# Altium PCB SAU-G0.PcbDoc (continued)
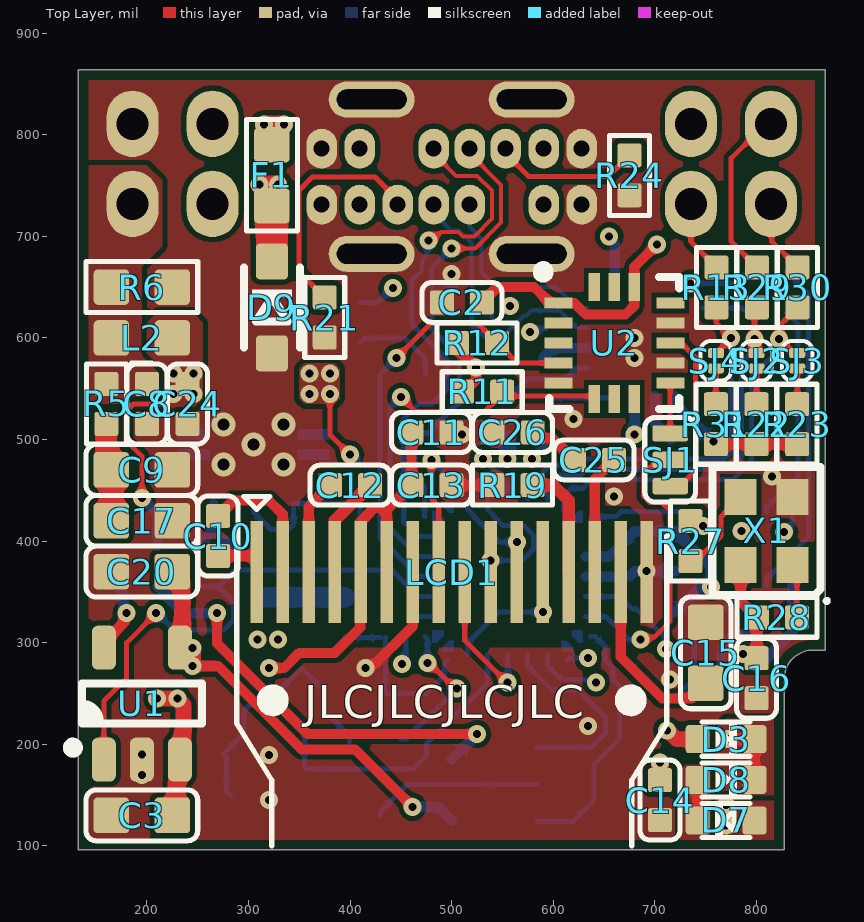
[diagram p0: Top Layer view]
## Footprints (in the part's own frame and the unit in brackets; to place one, negate y for a bottom-side part, rotate by r counter-clockwise, add the part's x,y. Pads: shape width x height; smd on the part's side, far side on the other; paste and mask are expansions set on the pad) (continued)
  rect 0.7x0.28 smd: 1(-1.4,1) 2(-1.4,0.5) 3(-1.4,0) 4(-1.4,-0.5) 5(-1.4,-1) 9(1.4,-1) 10(1.4,-0.5) 11(1.4,0) 12(1.4,0.5) 13(1.4,1)
  rect 0.28x0.7 smd: 6(-0.5,-1.4) 7(0,-1.4) 8(0.5,-1.4) 14(0.5,1.4) 15(0,1.4) 16(-0.5,1.4)
  silkscreen extent -2.03,-1.65 1.62,2.03, body extent -1.5,-1.5 1.5,1.5, height 1.02
"MICROCHIP SOT-23-5 OT" [mm] "SOT23, 5-Leads, Body 2.90x2.70mm, Pitch 0.95mm, IPC Medium Density"
  rrect50% 1.1x0.6 smd: 1(-1.4,0.95) 2(-1.4,0) 3(-1.4,-0.95) 4(1.4,-0.95) 5(1.4,0.95)
  silkscreen extent -1.22,-1.5 0.5,1.85, body extent -1.36,-1.45 1.36,1.45, height 1.19
"NDK NX2520SA" [mm] "Crystal, 4-Leads, Body 2.00x2.50mm, Pitch 1.70mm, IPC Medium Density"
  rect 0.9x0.8 smd: 1(-0.85,-0.65) 2(0.85,-0.65) 3(0.85,0.65) 4(-0.85,0.65)
  silkscreen extent -1.8,-1.55 1.6,1.35, body extent -1.26,-1.01 1.26,1.01, height 0.5
ODG_LOGO [mil]
  silkscreen extent -26,-46 39,84
OLED_64X48_0.66_SSD1306_TOP_FPC_TO_BACK_1MM_NO_3D_NO_SLIK_1 [mm]
  rect 0.32x2.54 smd: 1(-4.875,-12.453) 2(-4.225,-12.453) 3(-3.575,-12.453) 4(-2.925,-12.453) 5(-2.275,-12.453) 6(-1.625,-12.453) 7(-0.975,-12.453) 8(-0.325,-12.453) 9(0.325,-12.453) 10(0.975,-12.453) 11(1.625,-12.453) 12(2.275,-12.453) 13(2.925,-12.453) 14(3.575,-12.453) 15(4.225,-12.453) 16(4.875,-12.453)
  silkscreen extent -5.38,-19.3 5.38,-10.56, body extent -9.23,-19.3 9.23,0, height 2.31
"ON SEMI SOT-363" [mm] "SOT363, 6-Leads, Body 2.00x2.10mm, Pitch 0.65mm, IPC Medium Density"
  rrect50% 0.66x0.3 smd: 1(-0.92,0.65) 2(-0.92,0) 3(-0.92,-0.65) 4(0.92,-0.65) 5(0.92,0) 6(0.92,0.65)
  silkscreen extent -1.07,-1.1 0.3,1.53, body extent -1.06,-1.1 1.06,1.1, height 1.05
R0402 [mm]
  rrect20% 0.6x0.6 smd: 1(-0.5,0) 2(0.5,0)
  silkscreen extent -1,-0.5 1,0.5, body extent -0.5,-0.25 0.5,0.25, height 0.35
R0603 [mil]
  rrect25% 35x35 smd: 1(-30,0) 2(30,0)
  silkscreen extent -55,-25 55,25, body extent -31,-16 31,16, height 18
SJ_2P_TINY [mil] "选择焊盘"
  rrect50% 10x16 smd: 1(0,0) 2(15,0)
  silkscreen extent -12,-15 27,15
SJ_3P_MINI [mil]
  rrect30% 16x35 smd: 1(-26,0) 2(0,0) 3(26,0)
  silkscreen extent -42,-25 42,25
SOD-323 [mm]
  rrect25% 0.9x0.8 smd: 1(-1.15,0) 2(1.15,0)
  silkscreen extent -1,-0.7 1,0.7, body extent -1.36,-0.62 1.36,0.63, height 1.05
SOD-523 [mm]
  rrect25% 0.6x0.7 smd: 1(-0.71,0) 2(0.71,0)
  silkscreen extent -0.6,-0.43 0.6,0.43, body extent -0.8,-0.4 0.8,0.4, height 0.82
"TAIYO YUDEN MAMK2520T1R0M" [mm] "Inductor, 2-Leads, Body 2.50x2.00mm, IPC Medium Density"
  rrect50% 0.8x2 smd: 1(-1,0) 2(1,0)
  silkscreen extent -1.7,-1.3 1.7,1.3, body extent -1.3,-1.02 1.3,1.03, height 1.2
TE-198181x_Female+Male [mm]
  rrect50% 0.7x1.5 smd: 1(-2.15,0) 2(2.15,0)
  silkscreen extent -2.41,-1.78 2.2,1.53, body extent -2.33,-1.62 2.33,1.53, height 1.4
"TI PVSON-10 3x3MM DRC" [mm] "PVSON, 10-Leads, Body 3.00x3.00mm, Pitch 0.50mm, Thermal Pad 1.65x2.40mm, IPC Medium Density"
  oval 0.8x0.23 smd: 1(-1.475,1) 2(-1.475,0.5) 3(-1.475,0) 4(-1.475,-0.5) 5(-1.475,-1) 6(1.475,-1) 7(1.475,-0.5) 8(1.475,0) 9(1.475,0.5) 10(1.475,1)
  rect 1.65x2.4 smd paste-5: 11(0,0)
  Top Layer region: 0.11,1.9 0.39,1.9 0.39,1.1 0.11,1.1
  Top Layer region: -0.11,1.1 -0.39,1.1 -0.39,1.9 -0.11,1.9
  Top Layer region: -0.11,-1.9 -0.39,-1.9 -0.39,-1.1 -0.11,-1.1
  Top Layer region: 0.11,-1.1 0.39,-1.1 0.39,-1.9 0.11,-1.9
  silkscreen extent -2.47,-1.7 1.7,1.7, body extent -1.5,-1.5 1.5,1.5, height 1
TYPE-C_14P_Vertical_H_10mm [mm] "JLC插件孔焊盘：建议焊环0.25mm（极限0.18mm）。过小的焊环易破孔"
  oval 1.998x0.748 / inner round 0 / far side oval 2.15x0.9 hole 0.5 slot 1.75 at 0 deg: 1(2,-1.93) 2(-2,-1.93) 3(-2,1.93) 4(2,1.93)
  oval 0.76x1 / inner round 0.4 / far side oval 0.76x1 hole 0.4: A1(-3.25,0.7) A4(-2.3,0.7) A5(-1.35,0.7) A6(-0.45,0.7) A7(0.45,0.7) A9(2.3,0.7) A12(3.25,0.7) B1(3.25,-0.7) B4(2.3,-0.7) B5(1.35,-0.7) B6(0.45,-0.7) B7(-0.45,-0.7) B9(-2.3,-0.7) B12(-3.25,-0.7)
  silkscreen extent -4.48,-1.58 4.47,1.58, body extent -4.47,-2.08 4.48,2.08, height 10
UFQFPN28-4x4mm_ODG [mil]
  rrect50% 22x12 smd: 1(-81.5,59.06) 7(-81.5,-59.06) 15(81.5,-59.06) 21(81.5,59.06)
  rrect50% 32x12 smd: 2(-76.5,39.37) 3(-76.5,19.69) 4(-76.5,0) 5(-76.5,-19.68) 6(-76.5,-39.37) 16(76.5,-39.37) 17(76.5,-19.69) 18(76.5,0) 19(76.5,19.68) 20(76.5,39.37)
  rrect50% 12x22 smd: 8(-59.06,-81.5) 14(59.06,-81.5) 22(59.06,81.5) 28(-59.06,81.5)
  rrect50% 12x32 smd: 9(-39.37,-76.5) 10(-19.68,-76.5) 11(0,-76.5) 12(19.68,-76.5) 13(39.37,-76.5) 23(39.37,76.5) 24(19.68,76.5) 25(0,76.5) 26(-19.68,76.5) 27(-39.37,76.5)
  Top Layer region: 58,63 65,70 65,74 53,74 53,63
  Top Layer region: 63,-58 70,-65 74,-65 74,-53 63,-53
  Top Layer region: -63,58 -70,65 -74,65 -74,53 -63,53
  Top Layer region: 63,58 70,65 74,65 74,53 63,53
  Top Layer region: 58,-63 65,-70 65,-74 53,-74 53,-63
  Top Layer region: -63,-58 -70,-65 -74,-65 -74,-53 -63,-53
  Top Layer region: -58,63 -65,70 -65,74 -53,74 -53,63
  Top Layer region: -58,-63 -65,-70 -65,-74 -53,-74 -53,-63
  silkscreen extent -122,-86 86,86, body extent -81,-81 81,81, height 24

## Part data
C1 C2 C3 C4 C5 C6 C7 C8 C9 C10 C11 C12 C13 C14 C15 C16 C17 C18 C19 C20 C21 C22 C23 C24 C25 C26: library part CAP, "Capacitor"
D1: "Ultra-Low Capacitance TVS Protection", BOM名称=Ç¯Î, 学习资源=www.ooocke., 属性=30V/0.2
D2 D3 D4 D5 D7 D8: library part DIODE, "二极管"
D9: library part DIODE, "单向 5V TVS"
F1: library part FUSE, "贴片自恢复保险丝"
FPC1: "豆老板1.6元车G031电子烟拆机的玩意儿"
L1: library part Inductor
L2: library part inductor_mini, "贴片叠层电感"
P1 P3: library part CONN_2X2
P5: "泰科1981812-1 / 泰科1981813-1 / 使用32AWG 特氟龙线外径0.38mm / 刺破式"
Q1: library part P-MOS_123, "P-MOS"
Q2: library part N-MOS_123, "N-MOS"
Q3: "PNP+NPN, SOT-363", ComponentLink1Description=Datasheet, ComponentLink1URL=https://fscdn.rohm.com/en/products/databook/datasheet/discrete/transistor/digital/umh3ntn-e.pdf
R1 R2 R3 R4 R5 R6 R7 R8 R9 R10 R11 R12 R13 R14 R15 R16 R17 R18 R19 R20 R21 R22 R23 R24 R25 R26 R27 R28 R29 R30 R31 R32: library part RES, "Resistor"
SJ1: "焊接跳线二选一"
SJ2 SJ3 SJ4 SJ5 SJ6: "焊接跳线"
U2: "The LIS3DH is an ultra-low-power highperformance three-axis linear accelerometer belonging to the “nano” family, with digital I2C/SPI serial interface standard output. The device features ultra-low-power operational modes that allow advanced power saving and smart embedded functions.", ComponentLink1Description=Datasheet, ComponentLink1URL=https://www.bosch-sensortec.com/media/boschsensortec/downloads/datasheets/bst-bmi160-ds000.pdf
U3: library part TPS63000, "Buck-Boost Converter / 具有 1.8A 电流开关并采用 3x3 QFN 封装的高效率降压/升压转换器"
U4: "usb to ttl"
U5: "No Description Available", Mfr_Name=STMicroelectronics, Copyright="Copyright (C) 2022 Ultra Librarian. All rights reserved.", Manufacturer_Part_Number=STM32G031G8U6, RefDes=RefDes, Type=DEV
USB1: library part USB-Type-C_14P
VD2: "贴片肖特基二极管", BOM名称=Ð¤ÌØ», 学习资源=www.ooocke., 属性=30V/0.2
X1: library part XTAL-4P_oscillator, "4脚有源晶振", BOM名称=4脚无, 学习资源=www.ooocke.

## Free pads (board coordinates)
  oct 90x47.24 smd far side: 2(195,244.65) 3(195,175.35)

## Via types
v1: diameter 17.72/17.72/7.87/17.72 (per signal layer), hole 7.87, Top Layer to Bottom Layer, tented both sides, 30 vias
v2: diameter 17.72/7.87/7.87/17.72 (per signal layer), hole 7.87, Top Layer to Bottom Layer, tented both sides, 27 vias
v3: diameter 17.72/7.87/17.72/17.72 (per signal layer), hole 7.87, Top Layer to Bottom Layer, tented both sides, 22 vias
v4: diameter 23.62, hole 11.81, Top Layer to Bottom Layer, tented both sides, 5 vias
v5: diameter 17.72, hole 7.87, Top Layer to Bottom Layer, tented both sides, 3 vias

## Nets (pads, with @x,y where several pads share a name; then routed paths per layer and width w, separated by ;. In a path a pad name is that pad's centre, name@x,y a point inside that pad or via, vN(x,y) a via of type N, cw(c..) or ccw(c..) an arc to the next point about the centre after c; other vN are vias at no path point)
3V3: C8.1 C11.1 C13.2 C16.1 C19.2 D3.1 L2.2 LCD1.5 LCD1.6 P3.1 Q3.4 R5.2 R6.2 R11.1 R12.1 R14.1 R22.1 R23.1 R28.2 R31.1 U4.1 X1.4 | length 838.7
  Top Layer w10: v1(320,275) 335,275 350,290 385,290 410,315 410,418.93 424.26,433.19 ; 425,433.19 436.02,433.19 ; LCD1.6 436.02,433.19 ; C11.1@460.31,505 C13.2 438.5,433.19 436.02,433.19 ; R12.1 508.74,591.58 508.74,586.26 v1(524,571) 525,570 524,569 524,558.68 R11.1@510.31,545 ; R31.1 R22.1 R23.1 ; X1.4 784.41,340.91 R28.2 800.16,324.84 800.16,285.16 800,285 C16.1
  Top Layer w15: v1(712,213.64) 712.74,213.64 721.37,205 D3.1
  Bottom Layer w10: U4.1 719.53,535.16 C19.2 ; v1@784.9,289.39 785.92,289.39 R14.1 835.59,310.91 Q3.4
  other v1: 786.49,289 757.5,498
4V2: C1.1 Q1.3 R2.2 R3.2 U3.5 | length 162.8
  Top Layer w5: v1(380,545) 380,505 v2(400,485)
  Bottom Layer w5: v2(400,485) 400,484.69 R3.2
  Bottom Layer w20: Q1.3 315.16,344.69 R2.2
  other v1: 309,303 329,303 360,545 360,565 380,565
+5: C20.1 C21.2 D9.2 F1.2 LED1.1 U1.4 U4.3 U4.9 | length 1180.4
  Top Layer w10: v3(245,277) 270.12,277 352.12,195 404.84,195 v2(461.42,138.43)
  Top Layer w16: C20.1 235,360 235,297.72 U1.4 ; v3(245,277) v3@245,294.67
  Top Layer w17.72: v3(311,751) v3(329,751)
  Top Layer w30: D9.2 F1.2
  G1 w10: v5(655,700) 655,661.57 705.86,610.71 705.86,530.86 v1(680,505)
  G2 w10: v3(329,751) 331,751 340,760 641,760 655,746 v5(655,700)
  Bottom Layer w10: v2(461.42,138.43) 486.58,138.43 LED1.1 ; v5(655,700) 655,698.38 660.47,692.9 U4.9 ; v1(680,505) 679.68,505 680.08,505.39 680.08,542.83 U4.3
  other v3: 245,295
BAT_INFO: C5.1 R2.1 R8.2 U5.14 | length 172.4
  Bottom Layer w5: R2.1 395.31,305 C5.1@430,305 ; R8.2 434.8,250.11 434.8,304.8 C5.1@435,305 ; R8.2@435,250 475,250 492.75,267.75 492.75,280.31 U5.14
CC1: R21.1 USB1.A5 | length 232.7
  Top Layer w5: R21.1 349.59,665.1 349.59,745.13 362.74,758.29 424.39,758.29 446.85,735.83 USB1.A5
CC2: R24.2 USB1.B5 | length 144.4
  Top Layer w5: USB1.B5 553.15,781.5 575.61,759.04 654.35,759.04 R24.2
CH343_RX: R26.1 U4.5 | length 90.7
  Bottom Layer w5: R26.1 574.69,559.37 611.97,559.37 623.07,570.47 U4.5
CH343_TX: R25.1 U4.4 | length 66.8
  Bottom Layer w5: R25.1 596.42,541.1 658.66,541.1 U4.4
Charge_Detect: R4.1 U1.1 U5.17 | length 538.8
  Top Layer w5: U1.1 157.6,242.6 180,265 180,300 v2(209,329)
  Bottom Layer w5: v2(209,329) 209,329.48 210.05,329.48 222.52,317 229,317 233.36,312.64 275.78,312.64 285.36,322.22 285.36,339.64 270,355 ; R4.1 270,355 ; U5.17 467.21,345.31 441.05,371.48 286.48,371.48 270,355
D+_A6: D1.4 D1.7 SJ5.1 U4.7 USB1.A6 | length 275
  Bottom Layer w4: USB1.A6 482.28,722.72 499.14,705.86 507.14,705.86 519.68,693.32 D1.4 D1.7 519.68,613.35 533.03,600 549.15,600 570.68,621.53 572.96,621.53 578.43,627 SJ5.1 605.91,627 623.07,609.84 U4.7
D-_A7: D1.5 D1.6 SJ6.1 U4.8 USB1.A7 | length 220.2
  Bottom Layer w4: USB1.A7 517.72,709.01 529.42,697.31 529.42,664.11 539.37,654.15 D1.5 ; D1.6 D1.5@539.37,648.06 ; D1.5@541.31,648 541.31,650 SJ6.1 602.6,650 623.07,629.53 U4.8
DISP_CS: LCD1.8 U5.22 | length 153.5
  Top Layer w5: v2(480,480) 480,441.84 487.2,434.64 LCD1.8
  Bottom Layer w5: v2(480,480) 495.94,464.06 U5.22
DISP_DC: LCD1.10 U5.24 | length 140.2
  Top Layer w5: v2(538,381) 538,373.95 540,371.95 538,369.95 LCD1.10
  Bottom Layer w5: U5.24 535.32,431.23 541.5,425.04 541.5,424.15 550.29,415.36 570.78,415.36 580.36,405.78 580.36,392.22 569.13,381 v2(538,381)
DISP_RES: LCD1.9 U5.11 | length 154.1
  Top Layer w5: LCD1.9 512.8,302.2 554,261 v2(555,261)
  Bottom Layer w5: v2(555,261) U5.11
DTR: Q3.1 R15.2 U4.12 | length 345
  G1 w5: v1(734.8,653.58) 734.8,556.12 780.86,510.06 780.86,440.98 785,436.84 v1(785,410)
  Bottom Layer w5: U4.12 719.53,654.53 721.76,652.29 723.05,653.58 v1(734.8,653.58) 776.32,653.58 777.61,652.29 R15.2
FB: R17.1 R18.1 U3.10 | length 81.1
  Bottom Layer w9: R17.1 265.63,410.94 ; U3.10 265.63,410.94 ; R18.1 285,392 266.06,410.94 265.63,410.94
GND: C1.2 C2.2 C3.2 C4.2 C5.2 C6.2 C7.2 C8.2 C9.2 C11.2 C13.1 C14.2 C15.2 C16.2 C17.2 C18.2 C19.1 C20.2 C21.1 C22.2 C23.2 C24.2 C26.2 D1.3 D1.8 D9.1 FPC1.1 LCD1.7 LCD1.16 P3.3 P5.2 pad.3 Q2.2 R1.1 R6.1 R8.1 R9.1 R18.2 R19.1 R21.2 R24.1 R32.1 U1.2 U2.5 U2.10 U2.12 U3.3 U3.7 U3.9 U3.11 U4.2 U4.17 U5.4 USB1.1 USB1.2 USB1.3 USB1.4 USB1.A1 USB1.A12 USB1.B1 USB1.B12 X1.2 | length 308.4
  Top Layer w10: v3(415,275) 420.33,275 461.61,316.28 LCD1.7 ; C13.1 R19.1
  Bottom Layer w10: U5.4 674.68,365 C22.2 v3(691.93,370.31) C23.2 ; U4.2 699.92,542.83 699.92,515.39 C19.1
  Bottom Layer w12: D1.3 v3@500,661
  other v3: 320,145 195,170 320,189.37 195,190 634,218 715,264 659.8,444.1 815,463.5 510,505 620,520 680,580 680,600 500,663
  other v4: 275.47,475.31 334.53,475.31 305,495 275.47,514.68 334.53,514.68
GPIO_ndef: P3.2 U5.25 | length 500.5
  G1 w5: P3.2 314.11,731.89 421,625 503.03,625 547.36,580.68 547.36,512.36 530.64,495.64 v1@530.64,481
  Bottom Layer w5: v1@531,480 555,456 U5.25
  other v1: 531,481
I2C1_SCL/SPI2_SCK: R30.2 SJ3.1 U5.28 | length 389.1
  Top Layer w5: SJ3.1 837,585 823,599 v2(822,599) 824.43,601.43 824.43,613.96 R30.2
  Bottom Layer w5: U5.28 614.06,448.54 617.52,452 629,452 637.69,460.69 776.5,460.69 795,479.19 795,561.19 822,588.19 v2(822,599)
I2C1_SDA/SPI2_MOSI: R29.2 SJ2.1 U5.27 | length 381
  Top Layer w5: v2(798,599) 798,627.53 R29.2 ; SJ2.1@799,586 SJ2.1
  Top Layer w14: SJ2.1@798,587 v2(798,599)
  Bottom Layer w5: U5.27 594.37,452.66 606.71,465 627,465 632.69,470.69 772.36,470.69 785,483.33 785,575 798,588 v2(798,599)
I2C2_SCL: R12.2 U2.4 U5.18 | length 438.5
  Top Layer w5: v2(445.5,580.24) 479.57,614.31 525.37,614.31 R12.2 564.38,575.31 U2.4
  Bottom Layer w5: v2(445.5,580.24) 429.31,564.05 429.31,403.02 467.34,365 U5.18
I2C2_SDA: R11.2 U2.6 U5.19 | length 387
  Top Layer w5: v2(450,542) 464.69,527.31 532,527.31 R11.2@549.68,545 ; R11.2@552.07,542.62 637.58,542.62 U2.6
  Bottom Layer w5: v2(450,542) 439.31,531.31 439.31,412.71 467.34,384.69 U5.19
INT: SJ1.2 U5.6 | length 294.8
  Top Layer w5: v2(686,303) 688.43,305.43 699.3,305.43 715,321.13 715,430 707,438 695,438 689,444 689,466 703,480 SJ1.2
  Bottom Layer w5: U5.6 651.77,325.63 674.4,303 v2(686,303)
INT1: SJ1.3 U2.11 | length 173.6
  Top Layer w5: SJ1.3 724.5,454 740,469.5 740,581 726,595 U2.11
INT2: SJ1.1 U2.9 | length 49.7
  Top Layer w5: SJ1.1 715,555.51 U2.9
KEY1: FPC1.2 U5.10 | length 197.8
  Bottom Layer w5: U5.10 574.68,277.34 598.36,253.66 624.57,253.66 651.36,226.87 651.36,211.36 637.05,197.05 FPC1.2
KEY2: FPC1.3 VD2.3 | length 168.8
  Bottom Layer w5: VD2.3@430,130 430,134.16 456.27,160.43 FPC1.3
KEY3: FPC1.4 U5.7 | length 250.9
  Bottom Layer w5: FPC1.4 618.82,123.82 640,145 640,180 665,205 665,257.58 658.72,263.86 658.72,275 650.58,283.14 650.58,296.6 641.23,305.94 U5.7
MISO2: P1.4 R13.1 | length 72.9
  Top Layer w5: P1.4 735.43,694.57 760,670 760,669.84 R13.1
NetC4_1: C4.1 R3.1 U3.6 U3.8 | length 183.8
  Bottom Layer w5: U3.8 305,428.38 322.07,411.31 339.31,411.31 344.37,416.37 U3.6 407.76,436.93 409.69,435 C4.1
NetC9_1: C9.1 C17.1 R5.1 | length 97.4
  Top Layer w20: R5.1 160,475 C9.1 C17.1
NetC10_1: C10.1 LCD1.1 | length 53.1
  Top Layer w10: C10.1 306.77,385.31 308.07,384.02 LCD1.1
NetC10_2: C10.2 LCD1.2 | length 132.4
  Top Layer w10: C10.2 285.31,440 320,440 333.66,426.34 LCD1.2
NetC12_1: C12.1 LCD1.3 | length 94.2
  Top Layer w10: LCD1.3 359.25,433.94 C12.1
NetC12_2: C12.2 LCD1.4 | length 99.9
  Top Layer w12: LCD1.4 384.84,420.16 C12.2
NetC15_1: C15.1 LCD1.15 | length 190.3
  Top Layer w10: LCD1.15 666.34,285.99 707.19,245.14 735.14,245.14 C15.1
NetC18_1: C18.1 U4.6 | length 47.4
  Bottom Layer w10: C18.1 599.84,590.16 U4.6
NetC25_1: C25.1 LCD1.14 | length 118.3
  Top Layer w10: LCD1.14 640.75,461.06 C25.1
NetC25_2: C25.2 C26.1 | length 52.2
  Top Layer w10: C26.1@579.68,508 586.5,501.19 599.13,501.19 C25.2
NetD2_1: D2.1 R16.1 | length 89.5
  Bottom Layer w5: R16.1 414.69,600 453.7,600 474,579.7 D2.1@474,564.53
NetD4_2: D4.2 D5.2 Q3.6 | length 192.5
  Bottom Layer w5: D4.2 680,274 707,247 721.13,247 738.72,264.59 738.72,308.4 758.28,327.95 D5.2 761.97,327.95 784.41,350.39 Q3.6
NetD5_1: D5.1 R14.2 | length 68.8
  Bottom Layer w8: D5.1 764.86,276.91 764.86,295.86 777,308 793.32,308 R14.2
NetD7_2: D7.2 D8.1 | length 40
  Top Layer w10: D7.2 D8.1
NetL1_1: L1.1 U3.4
NetL1_2: L1.2 U3.2
NetLCD1_13: LCD1.13 R19.2 | length 112
  Top Layer w12: R19.2 600,455 615.16,439.84 LCD1.13
NetLED1_2: LED1.2 R4.2 | length 427.5
  Top Layer w10: v2(269,329) 269,299.33 358.33,210 v2(525,210)
  Bottom Layer w10: R4.2 236.31,329 v2(269,329) ; LED1.2 v2(525,210)
NetQ1_1: Q1.1 Q2.3 R7.1 VD2.1 | length 261.2
  Bottom Layer w5: Q2.3 278.11,154.49 278.11,187.2 R7.1 295.63,210.94 295.63,233.16 316.47,254 331.24,254 Q1.1 375,252.56 375,232.53 399.41,208.12 VD2.1
NetQ3_2: Q3.2 R20.2 | length 214.3
  Bottom Layer w5: Q3.2 810,433.31 841,464.31 841,613.68 R20.2
NetQ3_3: Q3.3 R16.2 | length 774.7
  G1 w5: v1(442,649) 471,649 485,635 527.99,635 554.13,661.14 606.33,661.14 625.83,680.63 625.83,703.86 645.32,723.36 664.68,723.36 678.36,709.68 678.36,682.61 692.32,668.64 711.68,668.64 719.97,676.93 744.48,676.93 758.16,663.25 758.16,643.9 745,630.74 745,560.06 790.86,514.2 790.86,445.12 v1(827.26,408.72)
  Bottom Layer w5: R16.2 426.69,634.68 441,649 v1(442,649) ; v1(827.26,408.72) 827.26,409.93 835.59,418.26 Q3.3
NetQ3_5: Q3.5 R15.1 | length 335
  Bottom Layer w5: Q3.5 810,362.87 851,403.87 851,643.68 R15.1
NetR1_2: R1.2 U1.5 | length 73.6
  Top Layer w10: U1.5 157.6,299.96 178.52,320.89 178.52,327.52 v2(180,329)
  Bottom Layer w10: R1.2 176.81,348.5 176.81,334.81 180,331.62 v2(180,329)
NetR22_2: R22.2 SJ2.2 | length 35.3
  Top Layer w5: R22.2 SJ2.2
NetR23_2: R23.2 SJ3.2 | length 35.3
  Top Layer w5: R23.2 SJ3.2
NetR27_2: R27.2 X1.3 | length 86.7
  Top Layer w5: R27.2 740.32,380.31 765,405 765,424.06 X1.3
NetR28_1: R28.1 X1.1 | length 53.2
  Top Layer w5: X1.1 839.68,372.44 R28.1
NetR31_2: R31.2 SJ4.2 | length 35.3
  Top Layer w5: R31.2 SJ4.2
PA2/TX: R26.2 SJ6.2 U5.8 | length 460.5
  G1 w5: v1@554.36,481 554.64,481.28 554.64,494.64 563,503 563,586.88 553.89,595.99 553.89,627.86 v1(557.17,631.14) ; v1(555,481) 555.64,480.36 555.64,467.36 565.36,457.64 586.88,457.64 647,397.53 647,298 v1(634,285)
  Bottom Layer w4: v1(557.17,631.14) 561.14,631.14 SJ6.2
  Bottom Layer w5: U5.8 615.78,285.22 616,285 v1(634,285)
  Bottom Layer w17.72: v1(555,481) R26.2
PA3/RX: R25.2 SJ5.2 U5.9 | length 490.2
  G1 w5: v1(577.24,605.67) 578.12,604.79 v1@578.12,486.87 ; v1@578.5,480.5 657.36,401.64 657.36,275.32 643.03,261 v1(642,261)
  Bottom Layer w5: v1(577.24,605.67) 580.69,605.67 584.52,609.5 592.5,609.5 SJ5.2 ; U5.9 594.37,277.34 608.04,263.66 628.71,263.66 628.94,263.43 639.57,263.43 v1(642,261)
  Bottom Layer w8: v1(579,481) 595,497 R25.2
PC14: R27.1 U5.1 | length 133.1
  Top Layer w5: R27.1 739.68,415 v2(747.34,415)
  Bottom Layer w5: U5.1 661.53,424.06 666.47,429 733.53,429 747.34,415.19 v2(747.34,415)
PC15: U5.2
PF2/N\R\S\T\: C14.1 D4.1 R10.1 U5.5 | length 282.8
  Top Layer w17.72: C14.1 v3(705,182)
  G2 w5: v3(705,182) 708.44,182 738.36,211.92 738.36,280.64 724,295 712,295 v3(711,294)
  Bottom Layer w5: U5.5 665.42,345.31 677.79,332.95 D4.1 681.97,332.95 709.69,305.23 709.69,299.63 R10.1@714.32,295 ; v3(711,294) 713.32,294 R10.1@714.32,295 ; R10.1 R10.1@714.32,295
PKEY/OK: U5.15 VD2.2 | length 141.9
  Top Layer w5: v2(476,280) 478,280 503,255 v2(505,255)
  Bottom Layer w5: VD2.2@450,205.37 455.37,205.37 v2(505,255) ; U5.15 476,303.44 v2(476,280)
PW_HOLD: Q2.1 R9.2 U5.12 | length 293.3
  Bottom Layer w5: R9.2 355.35,219.33 355.35,177.64 Q2.1 461.85,175.59 475,188.74 475,200.26 535.32,260.57 U5.12
RTS: R20.1 U4.13 | length 45.1
  Bottom Layer w5: U4.13 785.79,629.53 R20.1
SCL1/SCK2: P1.3 R30.1 | length 73.4
  Top Layer w5: P1.3 815,731.06 815,695 840.47,669.53 R30.1
SDA1/MOSI2: P1.1 R29.1 | length 171.2
  Top Layer w5: R29.1 775,694.84 775,776.87 808.76,810.63 P1.1
SPI1_MOSI: LCD1.12 U5.13 | length 98.1
  Bottom Layer w5: U5.13 515.63,299.66 545.97,330 v2(590,330)
SPI1_SCK: LCD1.11 U5.23 | length 102.8
  Top Layer w5: LCD1.11 565,370.59 564,371.59 v2(564,399)
  Bottom Layer w5: U5.23 515.63,431.23 521.82,425.04 521.82,424.15 546.97,399 v2(564,399)
SPI2_MISO: R13.2 SJ4.1 U5.26 | length 395.7
  Top Layer w5: SJ4.1 v2(775,600) 760.47,614.53 R13.2
  Bottom Layer w5: U5.26 574.68,452.66 597,474.98 622.31,475 628,480.69 768.22,480.69 775,487.47 v2(775,600)
SPI2_NSS: P1.2 U5.16 | length 769.2
  G2 w5: v3(451.16,279.16) 451.16,498.16 486,533 486,593.01 547.49,654.5 642.53,654.5 678.36,690.32 678.36,753.56 P1.2
  Bottom Layer w5: v3(451.16,279.16) 451.16,282.6 455,286.44 455,313.29 467.34,325.63 U5.16
SWCLK/BOOT0: D1.2 D1.9 D2.2 R32.2 U5.21 USB1.B6 | length 459.6
  Top Layer w4: v2(500,688) 523.12,688 548.68,713.55 548.68,750.54 517.72,781.5 USB1.B6
  Bottom Layer w4: D1.9 D1.2 480.32,669.1 500,688.79 v2(500,688)
  Bottom Layer w5: U5.21 473,424.56 473,454.12 463.64,463.48 463.64,497.77 472.92,507.05 D2.2 ; D2.2@475.79,505.47 R32.2 507.64,552.04 507.64,581.46 480.32,608.79 D1.9
SWDIO: D1.1 D1.10 U5.20 USB1.B7 | length 540.7
  Top Layer w4: v2(477.28,695.91) 477.28,691.93 489.77,704.42 506.8,704.42 511.21,700 522.4,700 539.68,717.28 539.68,744.92 525.06,759.54 504.24,759.54 482.28,781.5 USB1.B7
  Bottom Layer w4: D1.10 D1.1 460.63,656.65 470.58,666.61 470.58,676.05 475.58,681.05 475.58,694.21 v2(477.28,695.91)
  Bottom Layer w5: D1.10 460.63,613.35 495.28,578.7 495.28,549.76 480.51,535 467.49,535 452.72,520.24 452.72,418.99 467.34,404.37 U5.20
TPS_VOUT: C6.1 C7.1 C24.1 L2.1 R17.2 U3.1 | length 199.3
  Top Layer w5: v2(195,442.5) 195,483.56 179.31,499.25 179.31,527.47 186.74,534.9 215.9,534.9 v2(226,545)
  Bottom Layer w10: v2(195,442.5) 210.31,427.18 R17.2
  other v2: 246,545 226,565 246,565
VBAT_IN: C3.1 D7.1 P5.1 pad.2 Q1.2 R7.2 U1.3 | length 146.9
  Top Layer w16: v5(210,245) v5(230,245) 230,244.54 235.88,238.65 U1.3@235.88,188.36 ; C3.1 228.7,133.7 228.7,181.18 U1.3@235.88,188.36 ; U1.3 U1.3@235.88,188.36
  other v1: 770,120 770,140
VbatWeek: C2.1 C22.1 C23.1 D3.2 D8.2 P3.4 R10.2 U2.1 U2.14 U5.3 | length 521.1
  Top Layer w10: C2.1 544.69,650 581,650 596.63,634.37 U2.1 620.63,634.37 632,623 671,623 679.68,631.68 U2.14 679.68,669.68 v1(702,692) ; v1(771.97,205) D3.2 D8.2
  Bottom Layer w10: U5.3 655,384.69 C22.1 C23.1 755,374.69 v1(755,355) 753.85,353.85 743.17,353.85 R10.2
VUSB: F1.1 USB1.A4 USB1.A9 USB1.B4 USB1.B9 | length 20
  Top Layer w17.72: v1(315,810) v1(335,810)
pads on no net: U2.2 U2.3 U2.7 U2.8 U2.13 U2.15 U2.16 U4.10 U4.11 U4.14 U4.15 U4.16

## Polygon pours and split planes (outlines as drawn)
VbatWeek on Top Layer "vcc-2" (solid, remove dead copper, pour order 2): 850,225 770,225 760,215 760,160 770,150 850,150
GND on Top Layer "GND_L01_P106" (solid, remove dead copper, pour order 106): 888.48,907.7 88.48,907.7 88.48,57.7 888.48,57.7
NetD7_2 on Top Layer "NETD7_2_L01_P061" (solid, remove dead copper, pour order 61): 755,90 755,175 750,180 730,180 725,175 725,90
VBAT_IN on Top Layer "VBAT_IN_L01_P059" (solid, remove dead copper, pour order 59): 840,150 765,150 760,145 760,85 840,85
3V3 on Top Layer "3V3_L01_P055" (solid, remove dead copper, pour order 55): 140,535 209.71,535 215,540.29 215,570 195,590 195,670 215,690 215,755 200,770 140,770
4V2 on Top Layer "4V2_L01_P052" (solid, remove dead copper, pour order 52): 390,570 390,540 385,535 355,535 350,540 350,570 355,575 385,575
TPS_VOUT on Top Layer "vcc-2" (solid, remove dead copper, pour order 51): 210,625 245,625 255,615 255,540 245,530 225,530 215,540 215,570 200,585 200,615
4V2 on Bottom Layer "vcc-2" (solid, remove dead copper, pour order 16): 410,365 300,365 290,355 290,310 305,295 355,295 365,305 365,320 378,333 408,333 415,340 415,360
VBAT_IN on Bottom Layer "vcc-2" (solid, remove dead copper, pour order 58): 300,295 290,305 230,305 225,310 110,310 110,210 285,210 300,225
GND on Bottom Layer "GND_L04_P092" (solid, remove dead copper, pour order 92): 900,900 100,900 100,50 900,50
NetL1_1 on Bottom Layer "vcc-2" (solid, pour order 53): 310,525 310,665 320,675 360,675 370,665 370,590 360,580 345,580 335,570 335,525
NetL1_2 on Bottom Layer "vcc-2" (solid, pour order 49): 300,525 300,665 290,675 250,675 240,665 240,590 250,580 265,580 275,570 275,525
4V2 on Bottom Layer "vcc-2" (solid, remove dead copper, pour order 48): 340,535 340,570 345,575 360,575 437.41,575 437.41,535
TPS_VOUT on Bottom Layer "vcc-2" (solid, remove dead copper, pour order 6): 270,535 270,570 265,575 125,575 125,535
VBAT_IN on Bottom Layer "vcc-2" (solid, remove dead copper, pour order 46): 115,150
VBAT_IN on Bottom Layer "vcc-2" (solid, remove dead copper, pour order 45): 120,140
VbatWeek on G1 "VBATWEEK_L02_P094" (solid, remove dead copper, pour order 94): 885,180 760,180 750,190 750,220 755,225 799.59,269.59 799.59,295.99 759.98,335.6 747.76,335.6 736.16,347.2 736.16,362.8 748.75,375.39 821.56,375.39 839,392.83 839,403.65 802.65,440 802.65,506.5 745,564.14 745,660 713.34,660 620.41,752.92 620.41,787.24 607.65,800 358.1,800 328.1,770 240,770 225,785 225,885 880,885
VUSB on G1 "vcc-2" (solid, remove dead copper, pour order 56): 600,800 370,800 340,830 310,830 300,820 300,700 605,700 615,710 615,785
VBAT_IN on G1 "vcc-2" (solid, remove dead copper, pour order 96): 850,175 325,175 240,260 115,260 115,75 850,75
4V2 on G1 "vcc-2" (solid, remove dead copper, pour order 102): 390,585 350,585 340,575 340,535 350,525 350,365 295,310 295,290 300,285 335,285 400,350 400,470 393,470 385,478 385,492 393,500 400,500 400,575
3V3 on G1 "3V3_L02_P104" (solid, remove dead copper, pour order 104): 900,900 100,900 100,50 900,50
+5 on G2 "vcc-2" (solid, remove dead copper, pour order 57): 340,775 300,775 290,765 290,720 180,610 180,480 220,440 220,270 235,255 255,255 270,270 270,300 250,320 250,455 210,495 210,600 350,740 350,765
GND on G2 "vcc-2" (solid, remove dead copper, pour order 100): 900,900 100,900 100,50 900,50

## Other copper
Top Layer:
  pour cut-out: 285.37,305 285.37,425 295.37,435 450.37,435 460.37,425 470,425 480,435 675.37,435 685.37,425 685.37,305 675.37,295 295.37,295
G2:
  region net +5: 660.55,688.81

## Silkscreen, mask and mechanical layers (free items; w line width, h text height)
Top Overlay:
  text "JLCJLCJLCJLC" at 355,215 h55.12
Top Solder:
  text "2022/07" at 432,500 h46 r90
  text "SAU-G0" at 503,150 h58
  text "v1.0" at 592,113 h46
Bottom Solder:
  text "SAU / -G0" at 242,580 h58
  text "v1.0" at 222,434 h46
Mechanical 1:
  the board outline again, w6

## Text inside footprints (layer, text, board x,y; h text height)
FPC1: Mechanical 15 "1" at 318.17,158.68 h32; Mechanical 15 "3" at 667.5,158.68 h32; Mechanical 15 "EDGE" at 805,118.74 h32 r90; Mechanical 15 "2" at 490.33,158.68 h32
LCD1: Mechanical 15 "16" at 663.07,270.17 h59.06; Mechanical 15 "1" at 300.17,267.83 h59.06; Mechanical 15 "64x48" at 255,727.24 h32
U5: Mechanical 13 "*" at 628,408.9 h50